# Altium PCB CPU-board-multi-rev.0.1.PcbDoc (part 1 of 3)
Units mil, origin at the board's own origin, x right, y up, seen from the top; angles counter-clockwise.
Board outline 3911 x 2585 mil, 6 copper layers (L1, L2, L3, L4, CommonGND, L5); 321 components, 264 nets, 1048 pads, 397 vias.
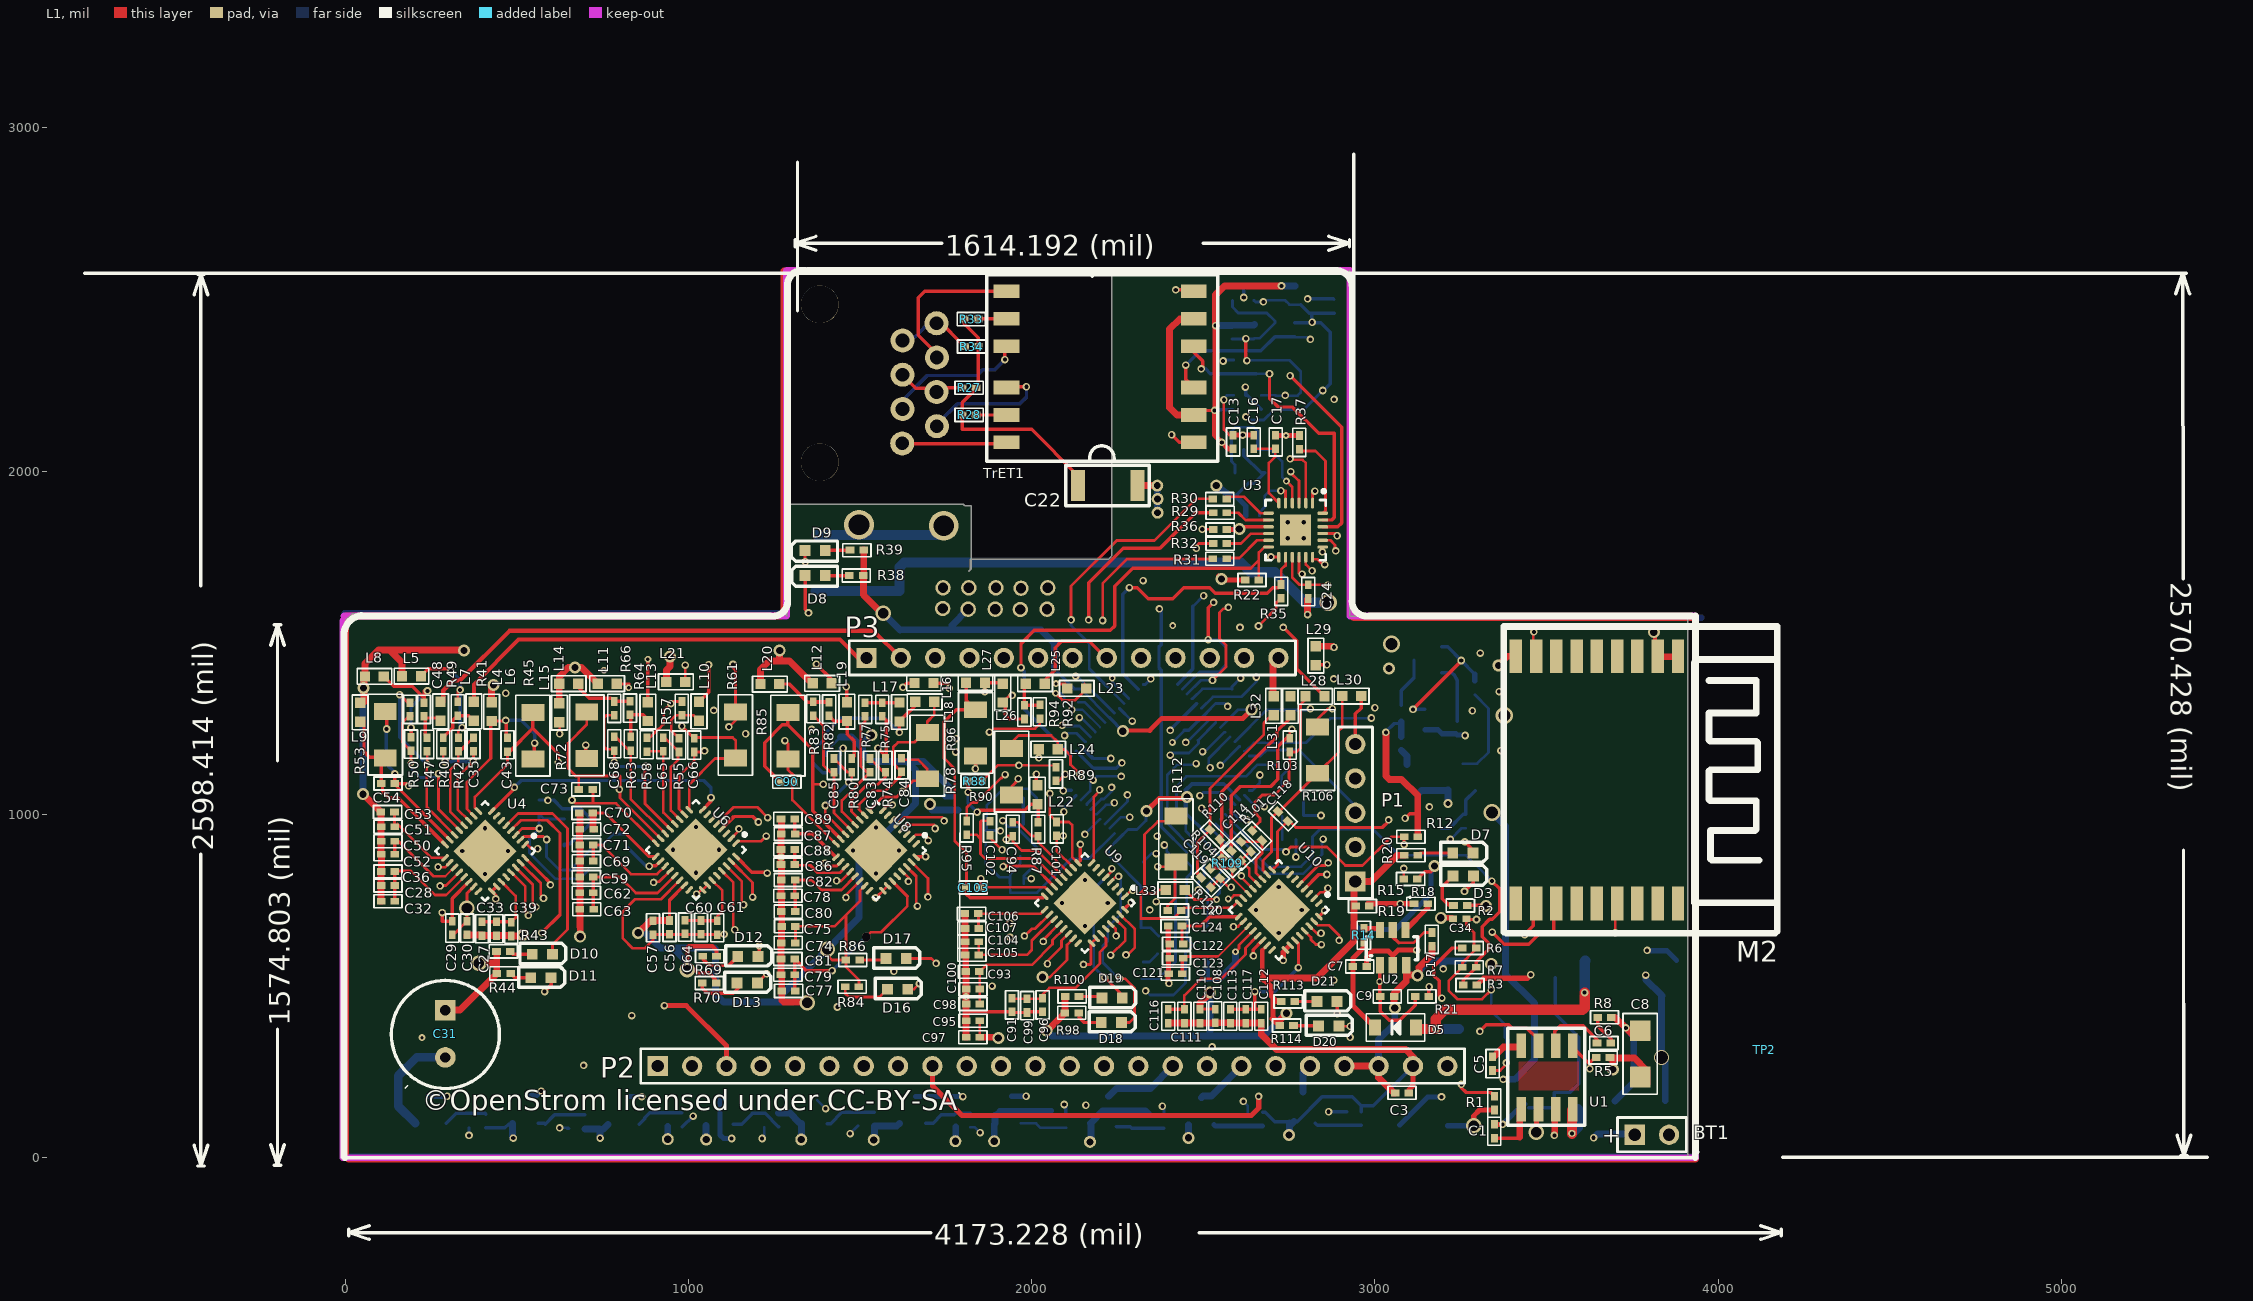
[diagram p0: L1 view]
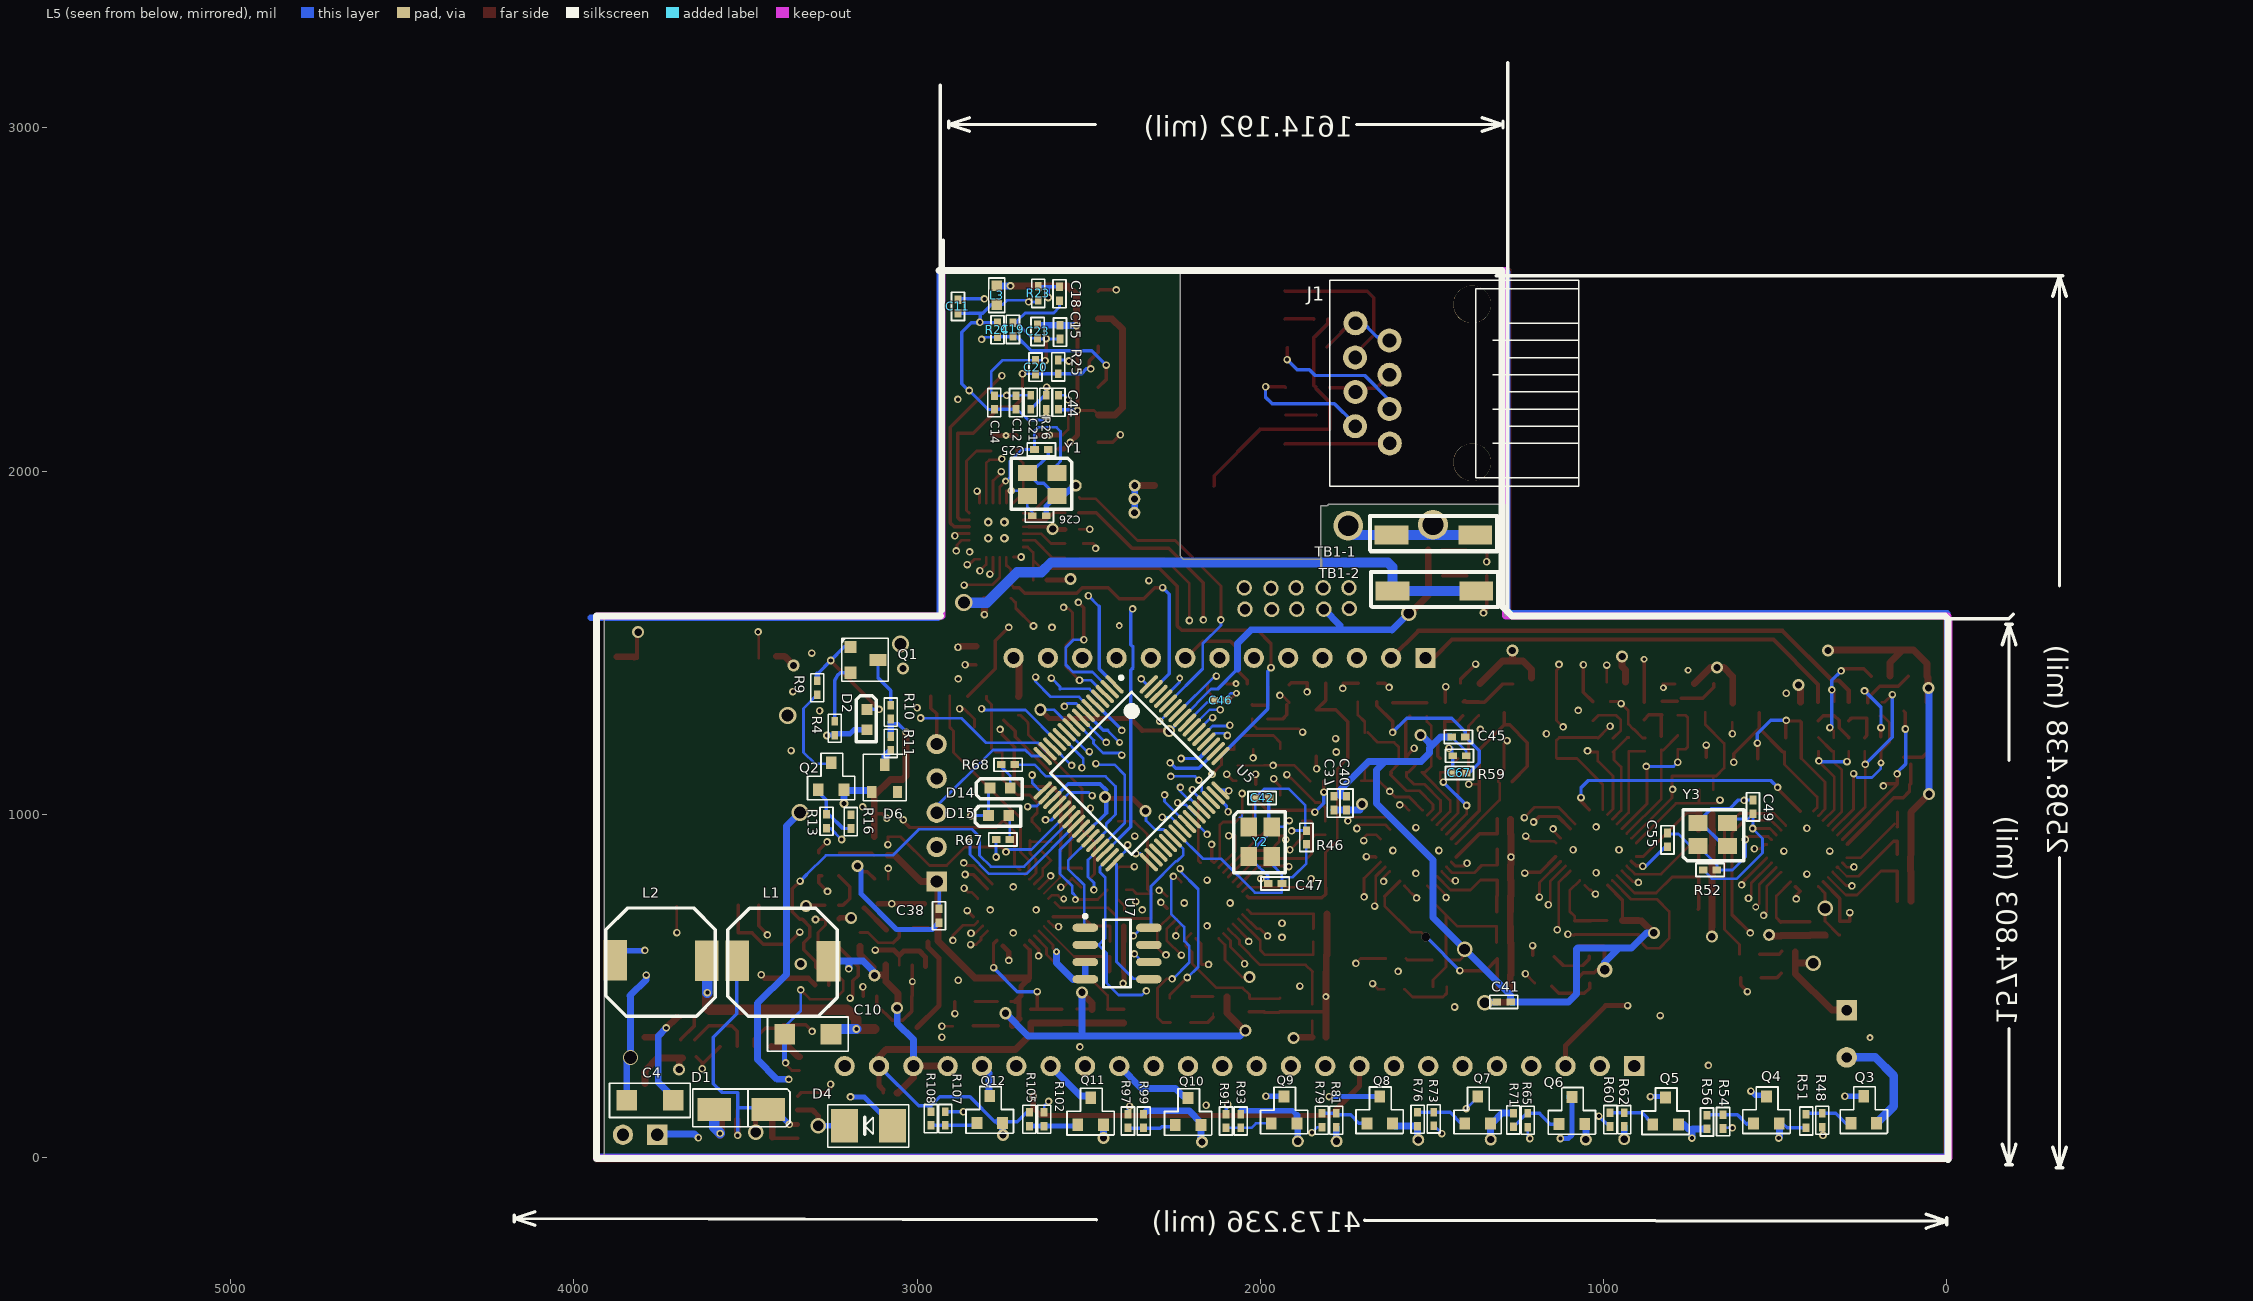
[diagram p1: L5 view, seen from below]
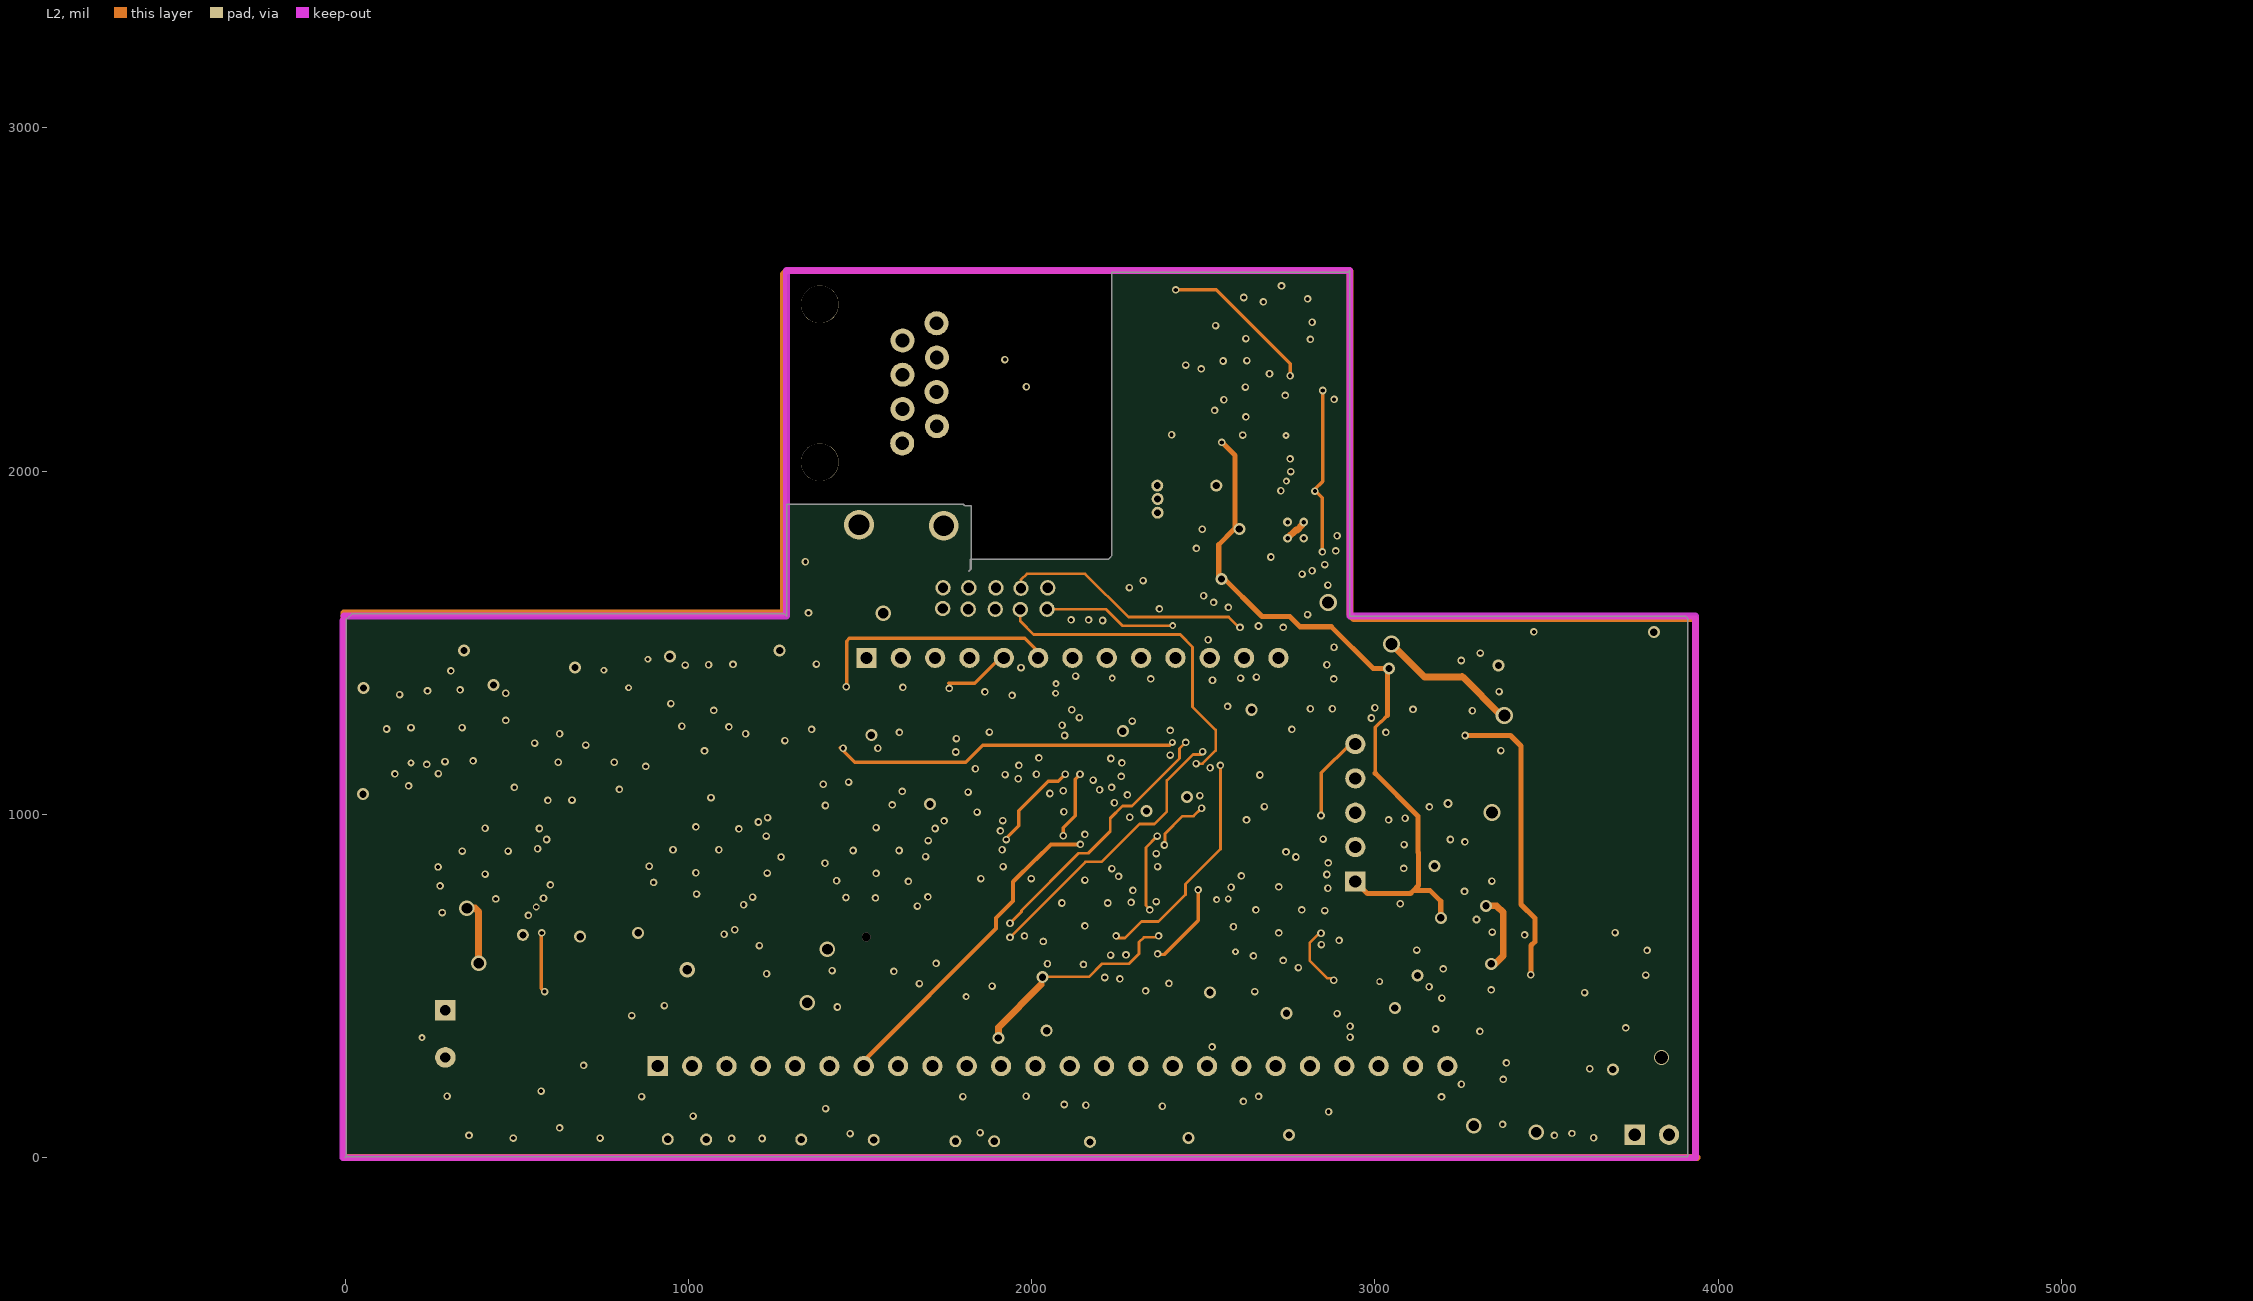
[diagram p2: L2]
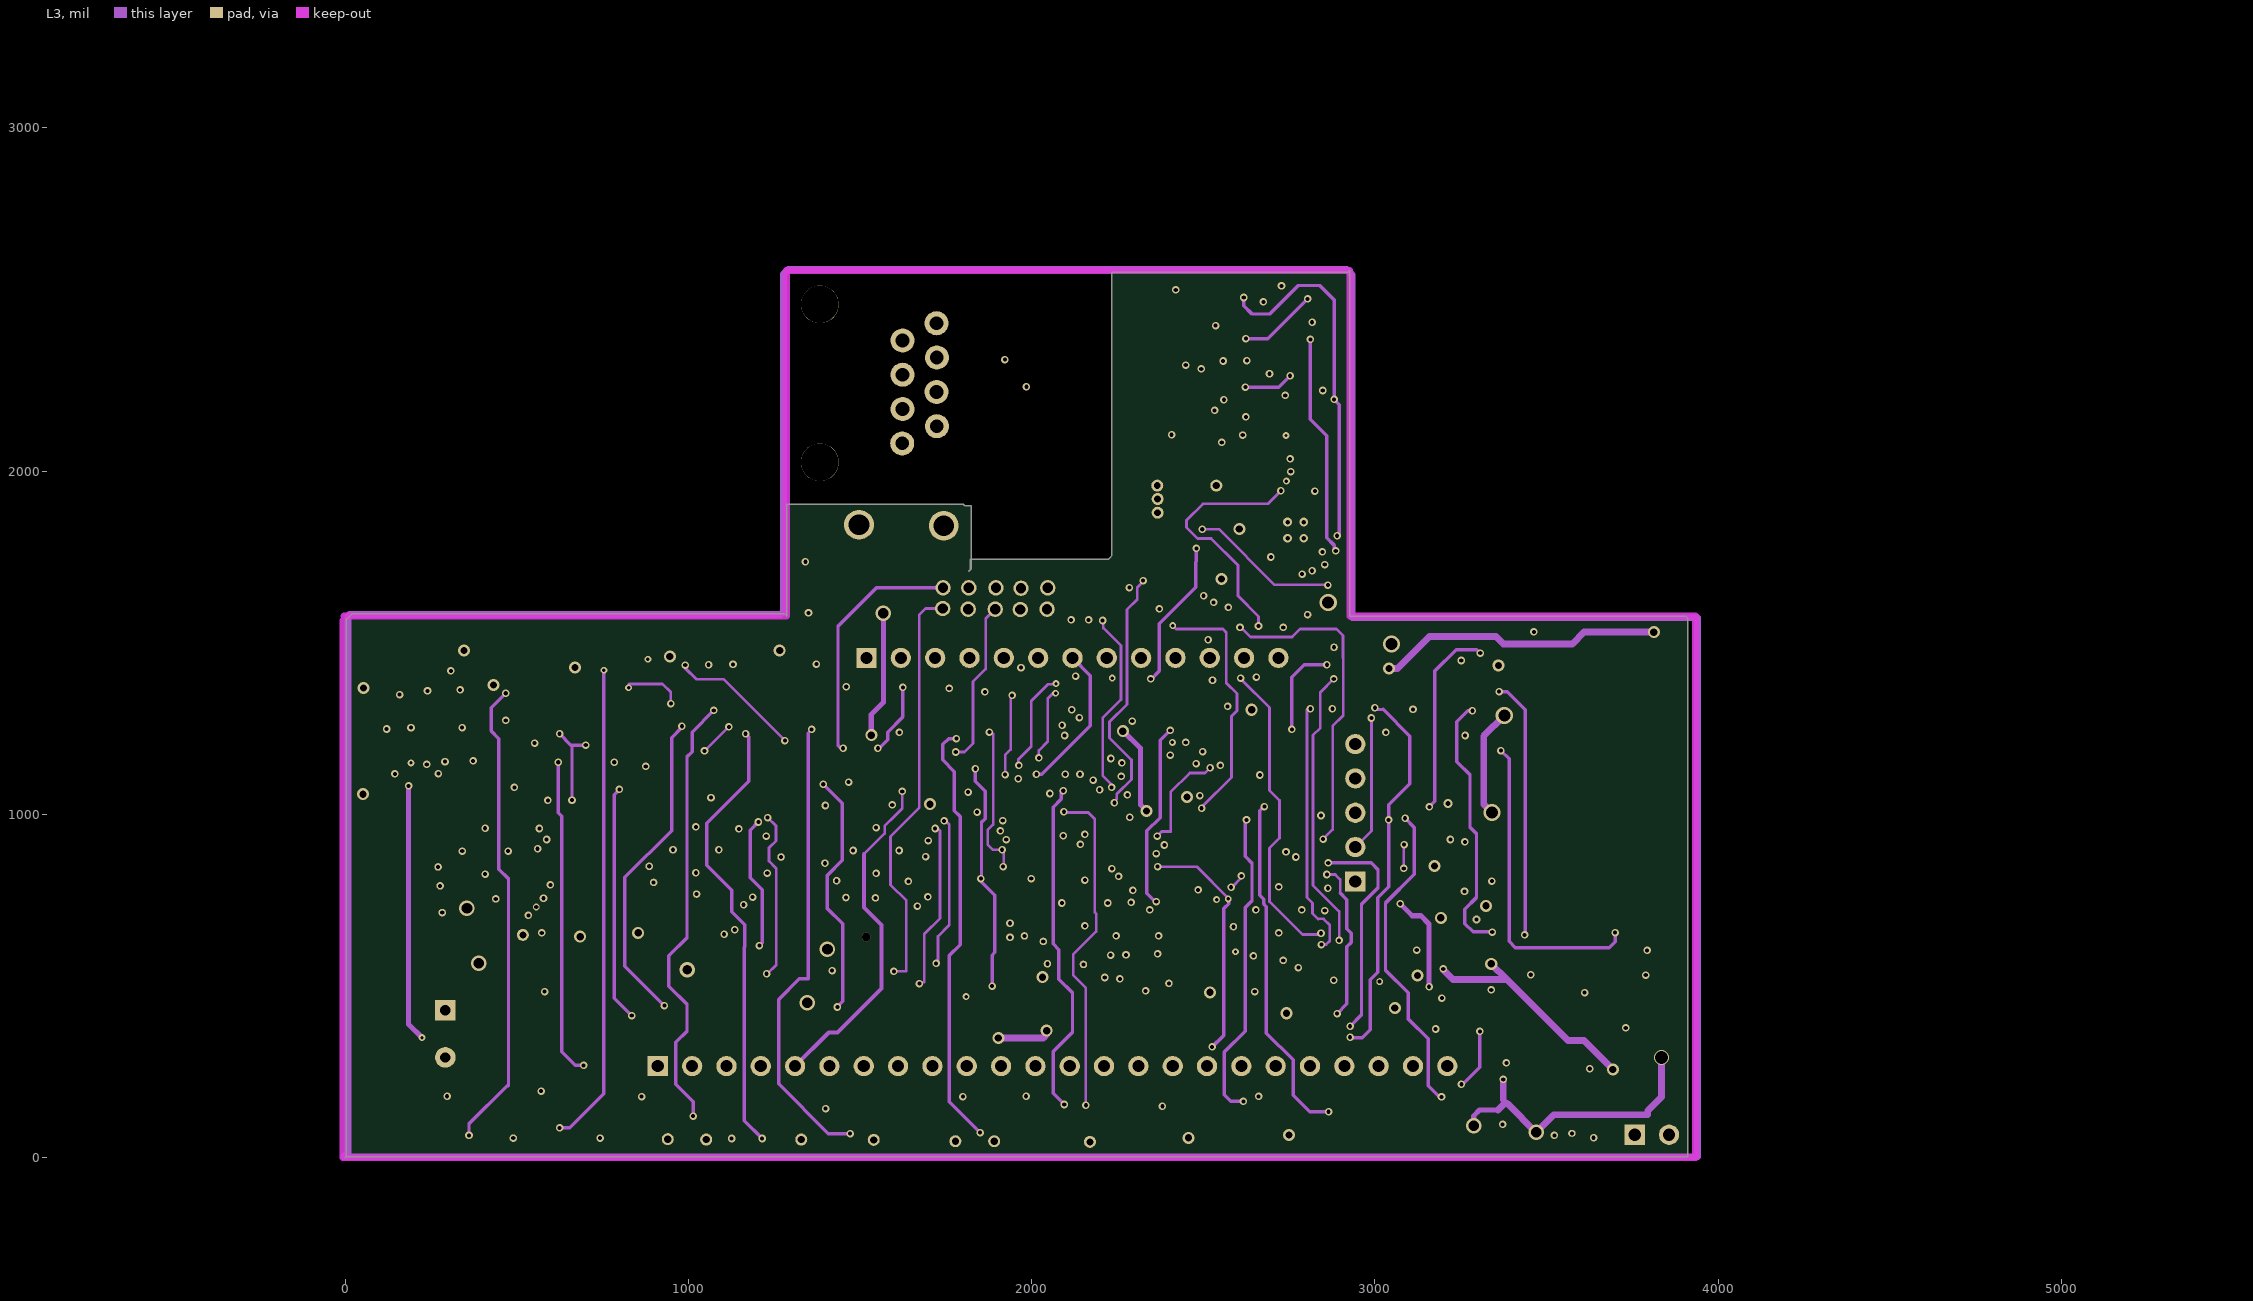
[diagram p3: L3]
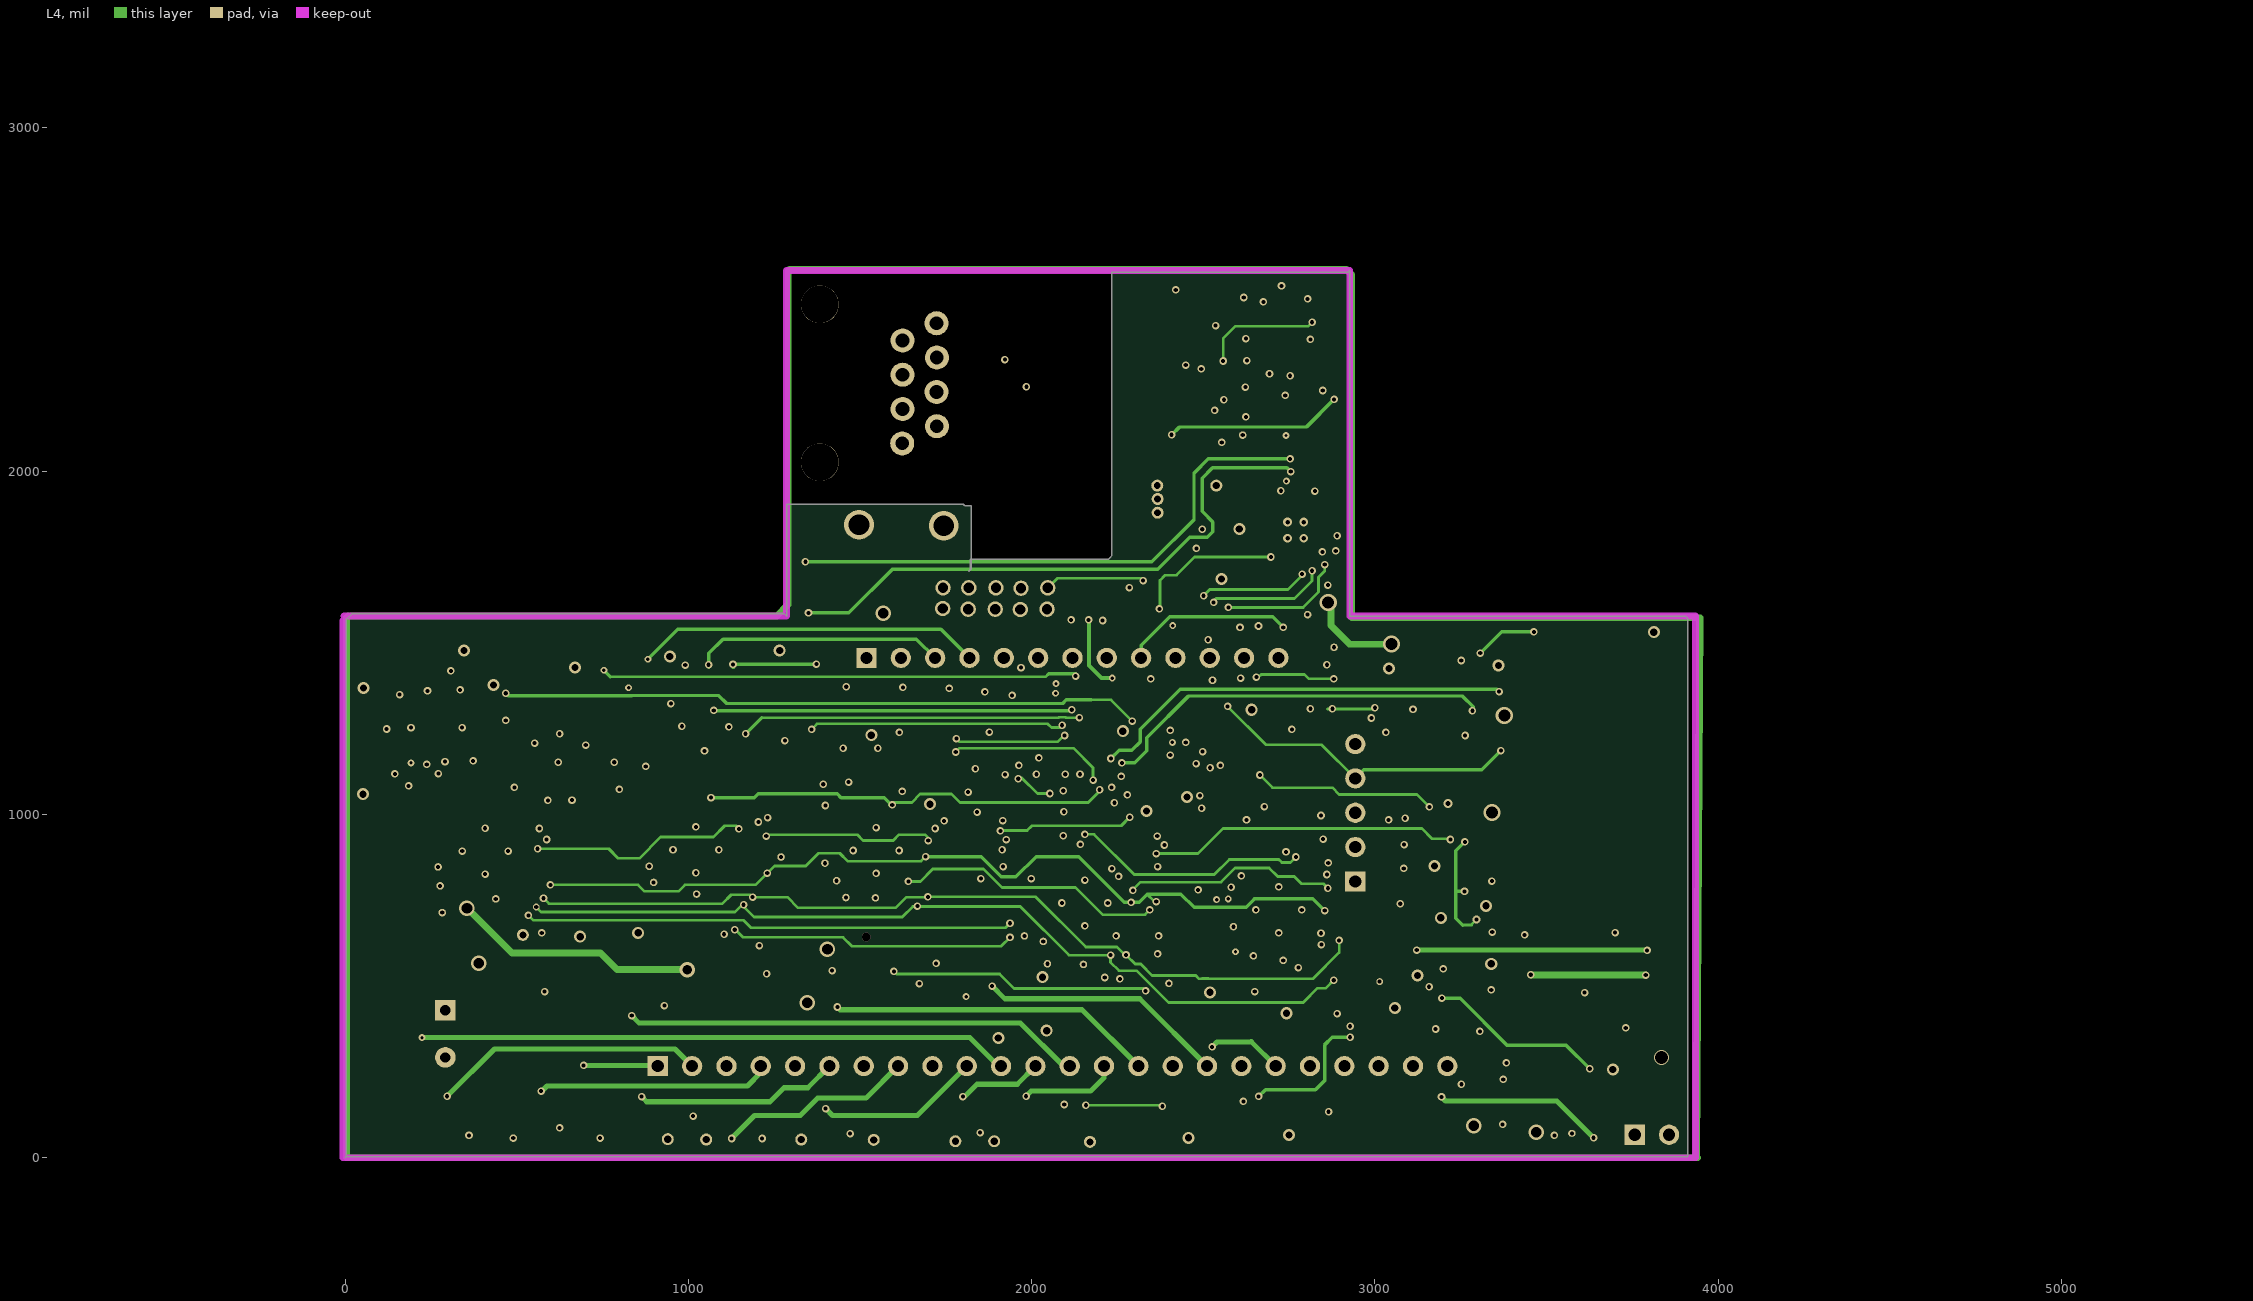
[diagram p4: L4]